# KiCad board vme-wren.kicad_pcb (continued)
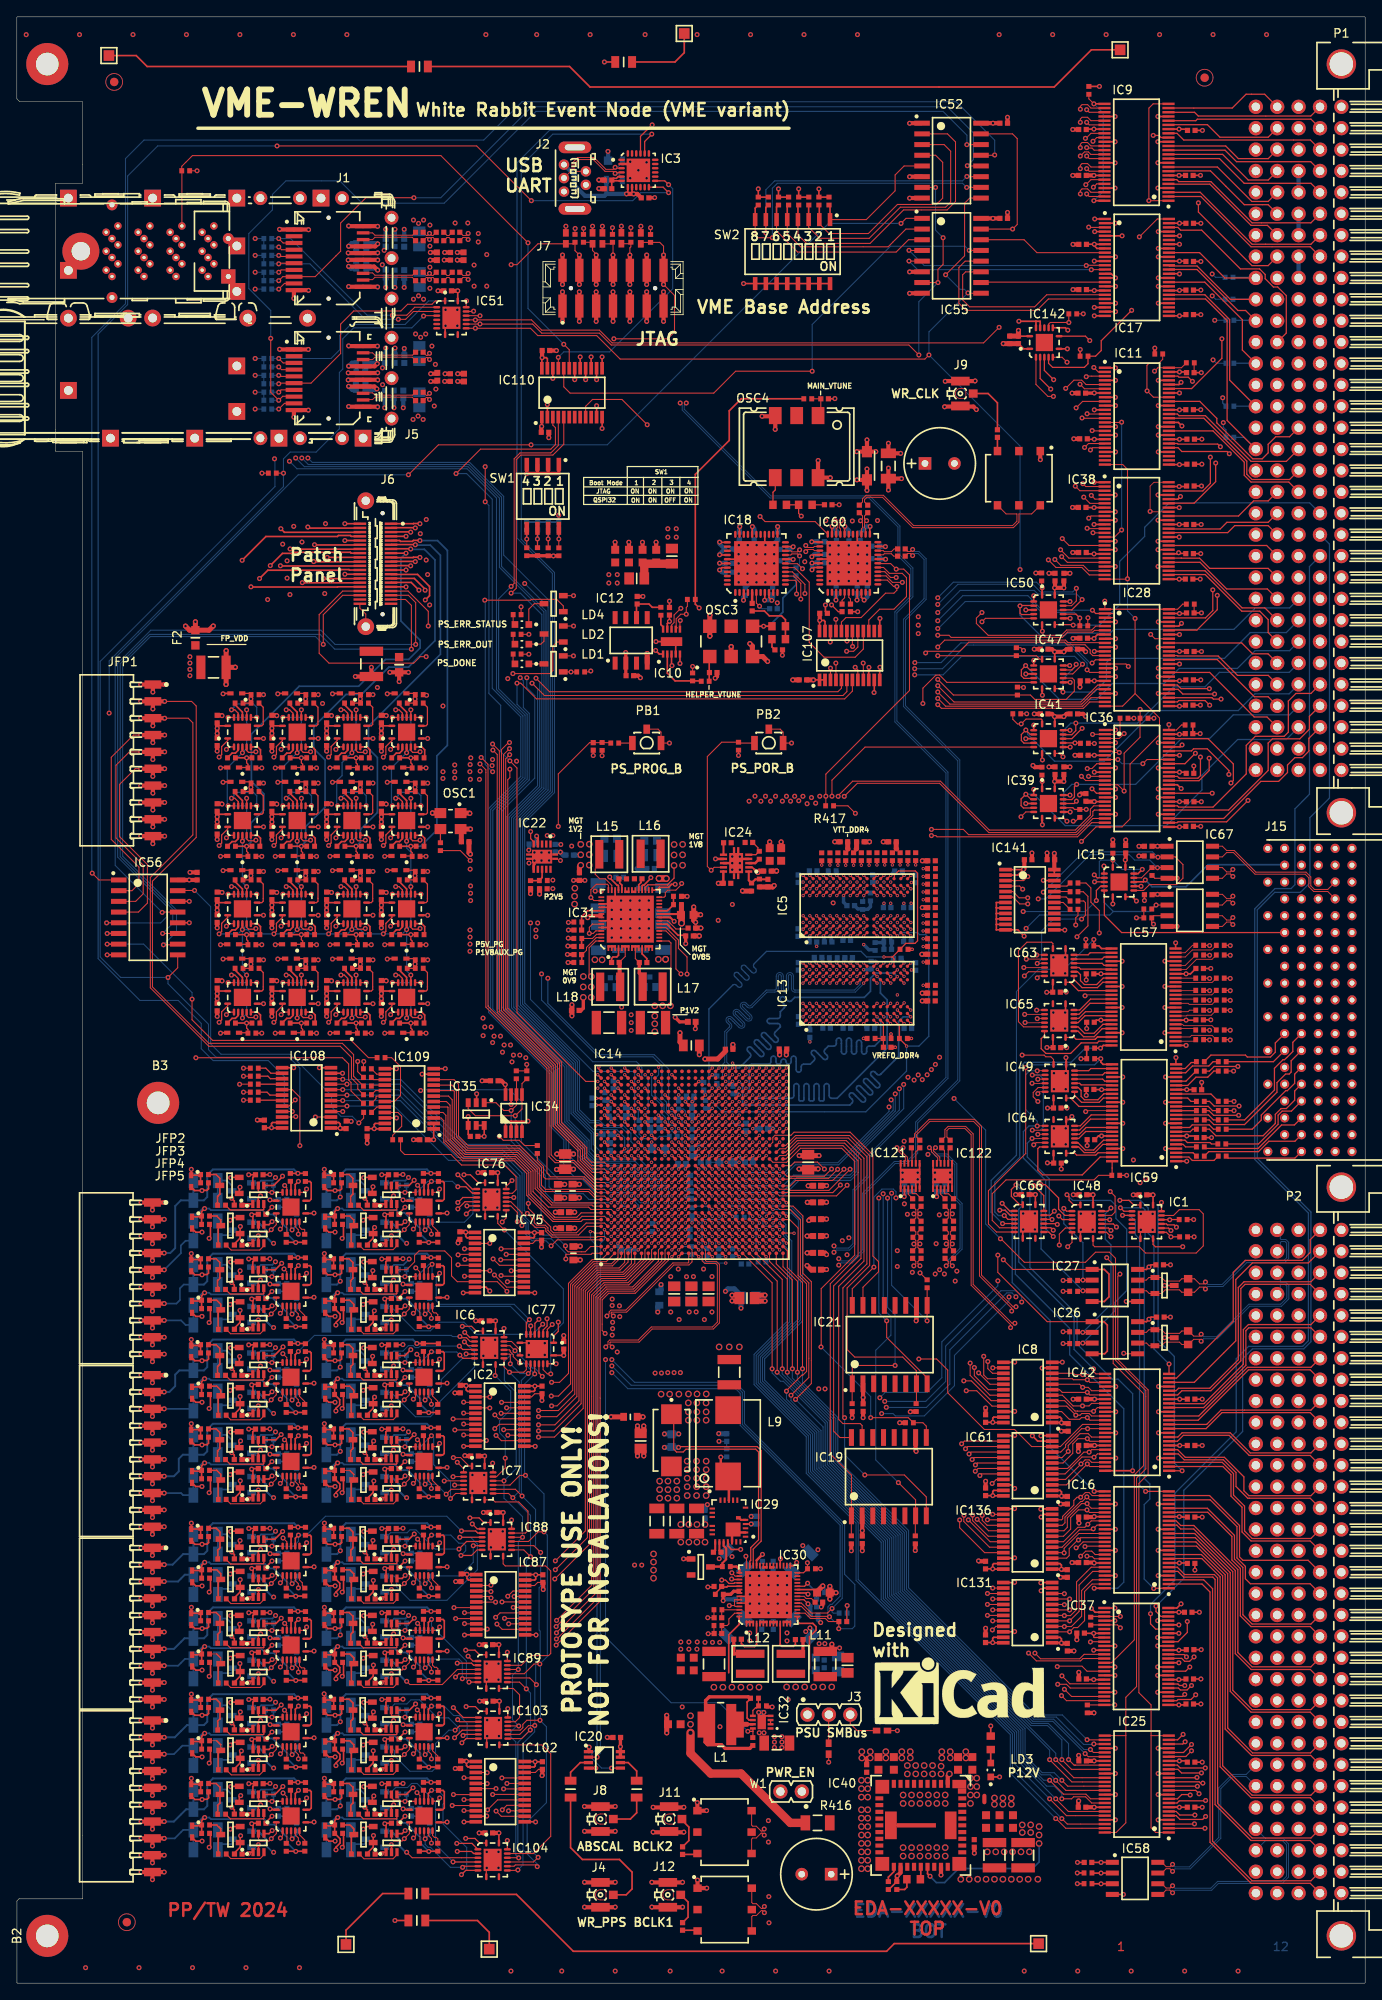
[diagram p0: board, top side]
## Placement (name value [footprint] x y rotation side) (continued)
C256  CC0402_1UF_25V_10%_X5R  [CAPC1005X55N]  101 165.44 270 bottom
C257  CC0402_1UF_25V_10%_X5R  [CAPC1005X55N]  97.3 165.44 270 bottom
C258  CC0402_1UF_25V_10%_X5R  [CAPC1005X55N]  99.8 165.44 270 bottom
C259  CC0402_1UF_25V_10%_X5R  [CAPC1005X55N]  95.5 169.64 180 bottom
C260  CC0402_100PF_50V_5%_C0G  [CAPC1005X55N]  77.5 162.89 270 top
C261  CC0402_1UF_25V_10%_X5R  [CAPC1005X55N]  91.11 168.89 0 bottom
C262  CC0402_1UF_25V_10%_X5R  [CAPC1005X55N]  89.76 165.29 270 bottom
C263  CC0402_1UF_25V_10%_X5R  [CAPC1005X55N]  95.5 168.64 180 bottom
C264  CC0402_1UF_25V_10%_X5R  [CAPC1005X55N]  100.15 171.73 90 bottom
C265  CC0402_10NF_16V_10%_X7R  [CAPC1005X55N]  105.05 170.29 180 top
C266  CC0402_10NF_16V_10%_X7R  [CAPC1005X55N]  105.05 169.43 180 top
C267  CC0402_100NF_16V_10%_X7R  [CAPC1005X55N]  86.51 165.24 270 bottom
C268  CC0402_100NF_16V_10%_X7R  [CAPC1005X55N]  71.25 29.17 0 top
C269  CC0402_100NF_16V_10%_X7R  [CAPC1005X55N]  139.28 137.35 0 top
C270  CC0402_220NF_16V_10%_X7R  [CAPC1005X55N]  83.18 51.17 0 top
C271  CC0402_220NF_16V_10%_X7R  [CAPC1005X55N]  84.31 64.78 270 bottom
C272  CC0603_22UF_10V_20%_X5R  [CAPC1608X90N]  77.76 64.41 270 bottom
C273  CAEM7343-20_470UF_2V_20%_LESR0003_PANASONIC_EEFGX0D471R  [CAPMP7343X200N]  77.74 64.45 270 top
C274  CC0402_1UF_25V_10%_X5R  [CAPC1005X55N]  110.24 94.44 270 bottom
C275  CC0402_1UF_25V_10%_X5R  [CAPC1005X55N]  87.88 54.98 90 bottom
C276  CC0402_2.2UF_16V_10%_X5R  [CAPC1005X55N]  95.25 45.24 0 top
C277  CC0402_100NF_16V_10%_X7R  [CAPC1005X55N]  117.2 220.84 0 top
C278  CC0402_100NF_16V_10%_X7R  [CAPC1005X55N]  117.2 209.54 0 top
C279  CC0402_100NF_16V_10%_X7R  [CAPC1005X55N]  21.41 131.44 90 top
C280  CC0402_100NF_16V_10%_X7R  [CAPC1005X55N]  29.13 81.29 0 top
C281  CC0603_22UF_10V_20%_X5R  [CAPC1608X90N]  95.79 46.36 0 top
C282  CC0402_220NF_16V_10%_X7R  [CAPC1005X55N]  92.91 40.79 180 top
C283  CC0603_22UF_10V_20%_X5R  [CAPC1608X90N]  94.88 37.9 90 bottom
C284  CC1210_220UF_6.3V_20%_X5R  [CAPC3225X280N]  96 37.89 90 top
C285  CC0402_2.2UF_16V_10%_X5R  [CAPC1005X55N]  95.88 37.91 90 bottom
C286  CC0402_2.2UF_16V_10%_X5R  [CAPC1005X55N]  83.25 47.1 180 top
C287  CC0402_2.2UF_16V_10%_X5R  [CAPC1005X55N]  85.77 45.58 0 bottom
C288  CC0402_2.2UF_16V_10%_X5R  [CAPC1005X55N]  66.62 125.04 180 top
C289  CC0402_220NF_16V_10%_X7R  [CAPC1005X55N]  85.6 40.84 0 top
C290  CC0402_2.2UF_16V_10%_X5R  [CAPC1005X55N]  80.17 125.27 0 top
C291  CC0603_22UF_10V_20%_X5R  [CAPC1608X90N]  79.61 126.84 0 top
C292  CC0402_10NF_16V_10%_X7R  [CAPC1005X55N]  66.62 122.12 0 top
C293  CC0402_10NF_16V_10%_X7R  [CAPC1005X55N]  83.26 41.51 0 top
C294  CC0402_10NF_16V_10%_X7R  [CAPC1005X55N]  83.26 43.39 0 top
C295  CC0402_10NF_16V_10%_X7R  [CAPC1005X55N]  66.62 123.09 0 top
C296  CC0603_22UF_10V_20%_X5R  [CAPC1608X90N]  78.08 30.74 0 top
C297  CC0402_100NF_16V_10%_X7R  [CAPC1005X55N]  109.24 94.44 90 bottom
C298  CC0402_220NF_16V_10%_X7R  [CAPC1005X55N]  73.79 131.13 0 top
C299  CC0402_220NF_16V_10%_X7R  [CAPC1005X55N]  74.37 121.18 0 top
C300  CC0402_220NF_16V_10%_X7R  [CAPC1005X55N]  71.08 121.19 180 top
C301  CC0402_100NF_16V_10%_X7R  [CAPC1005X55N]  126.57 36.12 0 top
C302  CC0402_100NF_16V_10%_X7R  [CAPC1005X55N]  68.45 146.84 90 top
C303  CC0603_22UF_10V_20%_X5R  [CAPC1608X90N]  78.85 37.9 90 top
C304  CC0603_22UF_10V_20%_X5R  [CAPC1608X90N]  80.39 37.89 90 top
C305  CC0402_100NF_16V_10%_X7R  [CAPC1005X55N]  139.3 36.12 180 top
C306  CC0402_100NF_16V_10%_X7R  [CAPC1005X55N]  139.3 33.15 0 top
C307  CC0402_100NF_16V_10%_X7R  [CAPC1005X55N]  126.34 41.57 180 top
C308  CC0402_100NF_16V_10%_X7R  [CAPC1005X55N]  139.34 39.6 180 top
C309  CC0805_100UF_4V_20%_X6S_MURATA_GRM21BC80G107ME15  [CAPC2013X145N]  75.28 133.93 180 bottom
C310  CC0603_22UF_10V_20%_X5R  [CAPC1608X90N]  75.27 135.64 180 bottom
C311  CC0402_2.2UF_16V_10%_X5R  [CAPC1005X55N]  75.27 132.35 180 bottom
C312  CC1210_220UF_6.3V_20%_X5R  [CAPC3225X280N]  75.54 114.04 180 top
C313  CC0603_22UF_10V_20%_X5R  [CAPC1608X90N]  75.2 118.28 180 bottom
C314  CC0402_2.2UF_16V_10%_X5R  [CAPC1005X55N]  74.72 119.46 180 bottom
C315  CC1210_220UF_6.3V_20%_X5R  [CAPC3225X280N]  70.32 114.04 0 top
C316  CC0603_22UF_10V_20%_X5R  [CAPC1608X90N]  70.47 118.26 0 bottom
C317  CC0402_2.2UF_16V_10%_X5R  [CAPC1005X55N]  70.94 119.38 0 bottom
C318  CC0402_100NF_16V_10%_X7R  [CAPC1005X55N]  139.11 44.04 0 top
C319  CC1210_220UF_6.3V_20%_X5R  [CAPC3225X280N]  119.5 15.19 270 top
C320  CC0603_22UF_10V_20%_X5R  [CAPC1608X90N]  115.1 19.19 270 top
C321  CC0603_22UF_10V_20%_X5R  [CAPC1608X90N]  116.7 19.19 270 top
C322  CC0603_22UF_10V_20%_X5R  [CAPC1608X90N]  118.3 19.19 270 top
C323  CC0402_1UF_25V_10%_X5R  [CAPC1005X55N]  113.7 16.59 90 top
C324  CC1206_47UF_25V_20%_X5R  [CAPC3216X180N]  85.37 42.24 45 bottom
C325  CC0402_1UF_25V_10%_X5R  [CAPC1005X55N]  89.84 42.46 90 bottom
C326  CC1206_47UF_25V_20%_X5R  [CAPC3216X180N]  85.36 50.22 315 bottom
C327  CC0402_1UF_25V_10%_X5R  [CAPC1005X55N]  89.82 49.63 270 bottom
C328  CC1206_47UF_25V_20%_X5R  [CAPC3216X180N]  93.27 42.17 135 bottom
C329  CC0402_1UF_25V_10%_X5R  [CAPC1005X55N]  88.55 49.62 270 bottom
C330  CC1206_47UF_25V_20%_X5R  [CAPC3216X180N]  93.14 50.03 225 bottom
C331  CC0402_1UF_25V_10%_X5R  [CAPC1005X55N]  88.47 42.46 90 bottom
C332  CC1206_22UF_25V_20%_X5R  [CAPC3216X180N]  69.08 124.13 90 bottom
C333  CC0402_1UF_25V_10%_X5R  [CAPC1005X55N]  71.6 131.3 0 bottom
C334  CC1206_22UF_25V_20%_X5R  [CAPC3216X180N]  76.72 128.54 270 bottom
C335  CC0402_1UF_25V_10%_X5R  [CAPC1005X55N]  71.45 122.63 0 bottom
C336  CC1206_22UF_25V_20%_X5R  [CAPC3216X180N]  76.72 124.17 90 bottom
C337  CC0402_1UF_25V_10%_X5R  [CAPC1005X55N]  74.32 129.99 180 bottom
C338  CC1206_22UF_25V_20%_X5R  [CAPC3216X180N]  69.03 129.12 270 bottom
C339  CC0402_1UF_25V_10%_X5R  [CAPC1005X55N]  74.28 122.66 180 bottom
C340  CC0402_4.7UF_6.3V_20%_X5R  [CAPC1005X55N]  66.81 131.39 90 top
C341  CC0402_4.7UF_6.3V_20%_X5R  [CAPC1005X55N]  66.32 115.49 0 top
C342  CC0402_4.7UF_6.3V_20%_X5R  [CAPC1005X55N]  70.83 106.67 270 bottom
C343  CC0402_4.7UF_6.3V_20%_X5R  [CAPC1005X55N]  79.97 89.06 270 bottom
C344  CC0402_4.7UF_6.3V_20%_X5R  [CAPC1005X55N]  83.35 86.74 90 bottom
C345  CC0402_100NF_16V_10%_X7R  [CAPC1005X55N]  51.16 200.93 180 top
C346  CC0402_10UF_6.3V_20%_X5R  [CAPC1005X70N]  53.05 205.04 90 top
C347  CC0402_100NF_16V_10%_X7R  [CAPC1005X55N]  79.89 124.34 180 top
C348  CC0402_100NF_16V_10%_X7R  [CAPC1005X55N]  94.69 43.76 180 bottom
C349  CC1206_10UF_25V_10%_X7R  [CAPC3216X180N]  90.25 28.51 180 top
C350  CC0402_100NF_16V_10%_X7R  [CAPC1005X55N]  56.7 107.14 0 top
C351  CC0402_100NF_16V_10%_X7R  [CAPC1005X55N]  54.3 100.54 0 top
C352  CC0402_10UF_6.3V_20%_X5R  [CAPC1005X70N]  49.88 205.04 90 top
C353  CC0402_100NF_16V_10%_X7R  [CAPC1005X55N]  87.33 163.37 90 top
C354  CC0402_100NF_16V_10%_X7R  [CAPC1005X55N]  51.5 205.04 270 top
C355  CC0402_10UF_6.3V_20%_X5R  [CAPC1005X70N]  46 202.94 90 bottom
C356  CC0402_10UF_6.3V_20%_X5R  [CAPC1005X70N]  46 206.64 270 bottom
C357  CC0402_10UF_6.3V_20%_X5R  [CAPC1005X70N]  43.8 202.99 90 bottom
C358  CC0402_10UF_6.3V_20%_X5R  [CAPC1005X70N]  40.3 206.14 270 bottom
C359  CC0402_10UF_6.3V_20%_X5R  [CAPC1005X70N]  40.3 204.04 90 bottom
C360  CC0402_10UF_6.3V_20%_X5R  [CAPC1005X70N]  41.5 206.14 270 bottom
C361  CC0402_10UF_6.3V_20%_X5R  [CAPC1005X70N]  41.5 204.04 90 bottom
C362  CC0402_10UF_6.3V_20%_X5R  [CAPC1005X70N]  43.8 206.64 270 bottom
C363  CC0402_100NF_16V_10%_X7R  [CAPC1005X55N]  44.9 202.94 270 bottom
C364  CC0402_100NF_16V_10%_X7R  [CAPC1005X55N]  44.9 206.64 90 bottom
C365  CC0402_100NF_16V_10%_X7R  [CAPC1005X55N]  47.8 203.14 180 top
C366  CC0402_100NF_16V_10%_X7R  [CAPC1005X55N]  47.8 202.14 180 top
C367  CC0402_100NF_16V_10%_X7R  [CAPC1005X55N]  47.8 206.89 180 top
C368  CC0402_100NF_16V_10%_X7R  [CAPC1005X55N]  47.8 207.89 180 top
C369  CC1210_220UF_6.3V_20%_X5R  [CAPC3225X280N]  42.1 156.64 270 top
C370  CC0402_100NF_16V_10%_X7R  [CAPC1005X55N]  140.47 114.37 180 top
C371  CC0402_100NF_16V_10%_X7R  [CAPC1005X55N]  127.45 119.84 0 top
C372  CC0402_100NF_16V_10%_X7R  [CAPC1005X55N]  127.5 114.09 180 top
C373  CC0402_100NF_16V_10%_X7R  [CAPC1005X55N]  140.47 120.47 0 top
C374  CC0402_100NF_16V_10%_X7R  [CAPC1005X55N]  50.25 203.14 0 top
C375  CC0402_100NF_16V_10%_X7R  [CAPC1005X55N]  50.25 202.14 0 top
C376  CC0402_100NF_16V_10%_X7R  [CAPC1005X55N]  115.05 58.34 90 top
C377  CC0402_100NF_16V_10%_X7R  [CAPC1005X55N]  124.76 57.34 270 top
C378  CC0402_100NF_16V_10%_X7R  [CAPC1005X55N]  115.05 67.04 90 top
C379  CC0402_100NF_16V_10%_X7R  [CAPC1005X55N]  124.86 65.99 270 top
C380  CC0402_100NF_16V_10%_X7R  [CAPC1005X55N]  43.29 118.59 90 top
C381  CC0402_4.7UF_6.3V_20%_X5R  [CAPC1005X55N]  43.29 115.89 90 top
C382  CC0402_100NF_16V_10%_X7R  [CAPC1005X55N]  36.79 118.59 90 top
C383  CC0402_4.7UF_6.3V_20%_X5R  [CAPC1005X55N]  36.79 115.89 90 top
C384  CC0402_100NF_16V_10%_X7R  [CAPC1005X55N]  30.29 118.59 90 top
C385  CC0402_4.7UF_6.3V_20%_X5R  [CAPC1005X55N]  30.29 115.89 90 top
C386  CC0402_100NF_16V_10%_X7R  [CAPC1005X55N]  23.79 118.59 90 top
C387  CC0402_4.7UF_6.3V_20%_X5R  [CAPC1005X55N]  23.79 115.89 90 top
C388  CC0402_100NF_16V_10%_X7R  [CAPC1005X55N]  123.47 117.66 180 top
C389  CC0402_100NF_16V_10%_X7R  [CAPC1005X55N]  123.59 97.37 180 top
C390  CC0402_100NF_16V_10%_X7R  [CAPC1005X55N]  123.52 111.07 180 top
C391  CC0402_100NF_16V_10%_X7R  [CAPC1005X55N]  119.76 93.63 0 top
C392  CC0402_100NF_16V_10%_X7R  [CAPC1005X55N]  134.36 134.99 0 top
C393  CC0402_100NF_16V_10%_X7R  [CAPC1005X55N]  28.79 85.99 0 top
C394  CC0402_100NF_16V_10%_X7R  [CAPC1005X55N]  42.09 77.63 180 top
C395  CC0402_100NF_16V_10%_X7R  [CAPC1005X55N]  47.85 82.59 270 bottom
C396  CC0402_100NF_16V_10%_X7R  [CAPC1005X55N]  46.85 82.59 270 bottom
C397  CC0402_4.7UF_6.3V_20%_X5R  [CAPC1005X55N]  42.07 82.38 0 top
C398  CC0402_100NF_16V_10%_X7R  [CAPC1005X55N]  44.93 81.29 0 top
C399  CC0402_100NF_16V_10%_X7R  [CAPC1005X55N]  44.59 85.99 0 top
C400  CC0402_100NF_16V_10%_X7R  [CAPC1005X55N]  47.85 62.39 270 bottom
C401  CC0402_100NF_16V_10%_X7R  [CAPC1005X55N]  46.85 62.39 270 bottom
C402  CC0402_100NF_16V_10%_X7R  [CAPC1005X55N]  42.09 57.43 180 top
C403  CC0402_4.7UF_6.3V_20%_X5R  [CAPC1005X55N]  42.07 62.18 0 top
C404  CC0402_100NF_16V_10%_X7R  [CAPC1005X55N]  44.59 65.79 0 top
C405  CC0402_100NF_16V_10%_X7R  [CAPC1005X55N]  44.93 61.09 0 top
C406  CC0402_100NF_16V_10%_X7R  [CAPC1005X55N]  55.91 96.23 0 top
C407  CC0402_100NF_16V_10%_X7R  [CAPC1005X55N]  62.32 88.66 270 top
C408  CC0402_100NF_16V_10%_X7R  [CAPC1005X55N]  52.61 88.76 270 top
C409  CC0402_100NF_16V_10%_X7R  [CAPC1005X55N]  64.95 75.74 270 top
C410  CC0402_100NF_16V_10%_X7R  [CAPC1005X55N]  26.29 67.43 180 top
C411  CC0402_100NF_16V_10%_X7R  [CAPC1005X55N]  32.05 72.39 270 bottom
C412  CC0402_100NF_16V_10%_X7R  [CAPC1005X55N]  31.05 72.39 270 bottom
C413  CC0402_4.7UF_6.3V_20%_X5R  [CAPC1005X55N]  26.27 72.18 0 top
C414  CC0402_100NF_16V_10%_X7R  [CAPC1005X55N]  28.79 75.79 0 top
C415  CC0402_100NF_16V_10%_X7R  [CAPC1005X55N]  29.13 71.09 0 top
C416  CC0402_100NF_16V_10%_X7R  [CAPC1005X55N]  42.09 67.43 180 top
C417  CC0402_100NF_16V_10%_X7R  [CAPC1005X55N]  46.85 72.39 270 bottom
C418  CC0402_100NF_16V_10%_X7R  [CAPC1005X55N]  47.85 72.39 270 bottom
C419  CC0402_4.7UF_6.3V_20%_X5R  [CAPC1005X55N]  42.07 72.18 0 top
C420  CC0402_100NF_16V_10%_X7R  [CAPC1005X55N]  44.93 71.09 0 top
C421  CC0402_100NF_16V_10%_X7R  [CAPC1005X55N]  44.59 75.79 0 top
C422  CC0402_100NF_16V_10%_X7R  [CAPC1005X55N]  26.29 57.43 180 top
C423  CC0402_100NF_16V_10%_X7R  [CAPC1005X55N]  32.05 62.39 270 bottom
C424  CC0402_100NF_16V_10%_X7R  [CAPC1005X55N]  31.05 62.39 270 bottom
C425  CC0402_4.7UF_6.3V_20%_X5R  [CAPC1005X55N]  26.27 62.18 0 top
C426  CC0402_100NF_16V_10%_X7R  [CAPC1005X55N]  28.79 65.79 0 top
C427  CC0402_100NF_16V_10%_X7R  [CAPC1005X55N]  29.13 61.09 0 top
C428  CC0402_100NF_16V_10%_X7R  [CAPC1005X55N]  56.55 55.89 0 top
C429  CC0402_100NF_16V_10%_X7R  [CAPC1005X55N]  62.47 48.03 270 top
C430  CC0402_100NF_16V_10%_X7R  [CAPC1005X55N]  52.76 48.14 270 top
C431  CC0402_100NF_16V_10%_X7R  [CAPC1005X55N]  56.05 40.19 0 top
C432  CC0402_100NF_16V_10%_X7R  [CAPC1005X55N]  42.1 45.63 180 top
C433  CC0402_100NF_16V_10%_X7R  [CAPC1005X55N]  47.86 50.59 270 bottom
C434  CC0402_100NF_16V_10%_X7R  [CAPC1005X55N]  46.86 50.59 270 bottom
C435  CC0402_4.7UF_6.3V_20%_X5R  [CAPC1005X55N]  42.08 50.37 0 top
C436  CC0402_100NF_16V_10%_X7R  [CAPC1005X55N]  44.6 53.98 0 top
C437  CC0402_100NF_16V_10%_X7R  [CAPC1005X55N]  44.94 49.29 0 top
C438  CC0402_100NF_16V_10%_X7R  [CAPC1005X55N]  31.06 40.59 270 bottom
C439  CC0402_100NF_16V_10%_X7R  [CAPC1005X55N]  32.06 40.59 270 bottom
C440  CC0402_100NF_16V_10%_X7R  [CAPC1005X55N]  26.3 35.63 180 top
C441  CC0402_4.7UF_6.3V_20%_X5R  [CAPC1005X55N]  26.28 40.37 0 top
C442  CC0402_100NF_16V_10%_X7R  [CAPC1005X55N]  28.8 43.98 0 top
C443  CC0402_100NF_16V_10%_X7R  [CAPC1005X55N]  29.14 39.29 0 top
C444  CC0402_100NF_16V_10%_X7R  [CAPC1005X55N]  31.06 50.59 270 bottom
C445  CC0402_100NF_16V_10%_X7R  [CAPC1005X55N]  26.3 45.63 180 top
C446  CC0402_100NF_16V_10%_X7R  [CAPC1005X55N]  32.06 50.59 270 bottom
C447  CC0402_4.7UF_6.3V_20%_X5R  [CAPC1005X55N]  26.28 50.37 0 top
C448  CC0402_100NF_16V_10%_X7R  [CAPC1005X55N]  29.14 49.29 0 top
C449  CC0402_100NF_16V_10%_X7R  [CAPC1005X55N]  28.8 53.98 0 top
C450  CC0402_100NF_16V_10%_X7R  [CAPC1005X55N]  47.86 40.59 270 bottom
C451  CC0402_100NF_16V_10%_X7R  [CAPC1005X55N]  42.1 35.63 180 top
C452  CC0402_100NF_16V_10%_X7R  [CAPC1005X55N]  46.86 40.59 270 bottom
C453  CC0402_4.7UF_6.3V_20%_X5R  [CAPC1005X55N]  42.08 40.37 0 top
C454  CC0402_100NF_16V_10%_X7R  [CAPC1005X55N]  44.94 39.29 0 top
C455  CC0402_100NF_16V_10%_X7R  [CAPC1005X55N]  44.6 43.98 0 top
C456  CC0402_100NF_16V_10%_X7R  [CAPC1005X55N]  56.1 33.49 0 top
C457  CC0402_100NF_16V_10%_X7R  [CAPC1005X55N]  62.41 25.84 270 top
C458  CC0402_100NF_16V_10%_X7R  [CAPC1005X55N]  52.7 25.94 270 top
C459  CC0402_100NF_16V_10%_X7R  [CAPC1005X55N]  56.05 17.84 0 top
C460  CC0402_100NF_16V_10%_X7R  [CAPC1005X55N]  32.06 30.29 270 bottom
C461  CC0402_100NF_16V_10%_X7R  [CAPC1005X55N]  26.3 25.33 180 top
C462  CC0402_100NF_16V_10%_X7R  [CAPC1005X55N]  31.06 30.29 270 bottom
C463  CC0402_4.7UF_6.3V_20%_X5R  [CAPC1005X55N]  26.28 30.07 0 top
C464  CC0402_100NF_16V_10%_X7R  [CAPC1005X55N]  95.81 162.65 0 top
C465  CC0402_100NF_16V_10%_X7R  [CAPC1005X55N]  93.35 154.74 180 top
C466  CC0402_100NF_16V_10%_X7R  [CAPC1005X55N]  29.4 102.02 90 top
C467  CC0402_100NF_16V_10%_X7R  [CAPC1005X55N]  39.1 101.91 90 top
C468  CC0402_100NF_16V_10%_X7R  [CAPC1005X55N]  110.24 92.69 270 top
C469  CC0402_100NF_16V_10%_X7R  [CAPC1005X55N]  111.24 92.69 270 top
C470  CC0402_100NF_16V_10%_X7R  [CAPC1005X55N]  111.24 86.51 270 top
C471  CC0402_100NF_16V_10%_X7R  [CAPC1005X55N]  110.24 86.51 270 top
C472  CC0402_100NF_16V_10%_X7R  [CAPC1005X55N]  109.84 99.64 270 top
C473  CC0402_100NF_16V_10%_X7R  [CAPC1005X55N]  110.84 99.64 270 top
C474  CC0402_100NF_16V_10%_X7R  [CAPC1005X55N]  111.24 90.03 90 top
C475  CC0402_100NF_16V_10%_X7R  [CAPC1005X55N]  110.24 90.03 90 top
C476  CC0402_100NF_16V_10%_X7R  [CAPC1005X55N]  107.39 92.69 270 top
C477  CC0402_100NF_16V_10%_X7R  [CAPC1005X55N]  106.39 92.69 270 top
C478  CC0402_100NF_16V_10%_X7R  [CAPC1005X55N]  79.06 15.74 270 top
C479  CC0402_100NF_16V_10%_X7R  [CAPC1005X55N]  107.39 90.02 90 top
C480  CC0402_100NF_16V_10%_X7R  [CAPC1005X55N]  106.39 90.02 90 top
C481  CC0402_100NF_16V_10%_X7R  [CAPC1005X55N]  107.39 86.51 270 top
C482  CC0402_100NF_16V_10%_X7R  [CAPC1005X55N]  106.24 99.64 270 top
C483  CC0402_100NF_16V_10%_X7R  [CAPC1005X55N]  106.39 86.51 270 top
C484  CC0402_100NF_16V_10%_X7R  [CAPC1005X55N]  107.24 99.64 270 top
C485  CC0402_100NF_16V_10%_X7R  [CAPC1005X55N]  79.06 6.74 270 top
C486  CC0402_100NF_16V_10%_X7R  [CAPC1005X55N]  62.83 193.85 0 top
C487  CC0402_100NF_16V_10%_X7R  [CAPC1005X55N]  62.73 184.14 0 top
C488  CC0402_100NF_16V_10%_X7R  [CAPC1005X55N]  41.6 101 270 top
C489  CC0402_100NF_16V_10%_X7R  [CAPC1005X55N]  48.3 100.14 180 top
C490  CC0402_1UF_25V_10%_X5R  [CAPC1005X55N]  106.44 94.44 270 bottom
C491  CC0402_100NF_16V_10%_X7R  [CAPC1005X55N]  105.44 94.44 90 bottom
C492  CC0402_100NF_16V_10%_X7R  [CAPC1005X55N]  29.14 28.99 0 top
C493  CC0402_100NF_16V_10%_X7R  [CAPC1005X55N]  28.8 33.68 0 top
C494  CC0402_100NF_16V_10%_X7R  [CAPC1005X55N]  31.06 20.29 270 bottom
C495  CC0402_100NF_16V_10%_X7R  [CAPC1005X55N]  26.3 15.33 180 top
C496  CC0402_100NF_16V_10%_X7R  [CAPC1005X55N]  32.06 20.29 270 bottom
C497  CC0402_4.7UF_6.3V_20%_X5R  [CAPC1005X55N]  26.28 20.07 0 top
C498  CC0402_100NF_16V_10%_X7R  [CAPC1005X55N]  28.8 23.68 0 top
C499  CC0402_100NF_16V_10%_X7R  [CAPC1005X55N]  29.14 18.99 0 top
C500  CC0402_100NF_16V_10%_X7R  [CAPC1005X55N]  47.86 20.29 270 bottom
C501  CC0402_100NF_16V_10%_X7R  [CAPC1005X55N]  46.86 20.29 270 bottom
C502  CC0402_100NF_16V_10%_X7R  [CAPC1005X55N]  42.1 15.33 180 top
C503  CC0402_4.7UF_6.3V_20%_X5R  [CAPC1005X55N]  42.08 20.07 0 top
C504  CC0402_100NF_16V_10%_X7R  [CAPC1005X55N]  44.94 18.99 0 top
C505  CC0402_100NF_16V_10%_X7R  [CAPC1005X55N]  44.6 23.68 0 top
C506  CC0402_100NF_16V_10%_X7R  [CAPC1005X55N]  46.86 30.29 270 bottom
C507  CC0402_100NF_16V_10%_X7R  [CAPC1005X55N]  42.1 25.33 180 top
C508  CC0402_100NF_16V_10%_X7R  [CAPC1005X55N]  47.86 30.29 270 bottom
C509  CC0402_4.7UF_6.3V_20%_X5R  [CAPC1005X55N]  42.08 30.07 0 top
C510  CC0402_100NF_16V_10%_X7R  [CAPC1005X55N]  44.6 33.68 0 top
C511  CC0402_100NF_16V_10%_X7R  [CAPC1005X55N]  44.94 28.99 0 top
C512  CC0402_100NF_16V_10%_X7R  [CAPC1005X55N]  133.74 93.6 0 top
C513  CC0402_100NF_16V_10%_X7R  [CAPC1005X55N]  52.15 203.14 180 top
C514  CC0402_100NF_16V_10%_X7R  [CAPC1005X55N]  52.15 202.14 180 top
C515  CC0402_100NF_16V_10%_X7R  [CAPC1005X55N]  52.15 206.89 180 top
C516  CC0402_100NF_16V_10%_X7R  [CAPC1005X55N]  52.15 207.89 180 top
C517  CC0402_100NF_16V_10%_X7R  [CAPC1005X55N]  36.79 139.59 90 top
C518  CC0402_4.7UF_6.3V_20%_X5R  [CAPC1005X55N]  36.79 136.89 90 top
C519  CC0402_100NF_16V_10%_X7R  [CAPC1005X55N]  30.29 139.59 90 top
C520  CC0402_4.7UF_6.3V_20%_X5R  [CAPC1005X55N]  30.29 136.89 90 top
C521  CC0402_100NF_16V_10%_X7R  [CAPC1005X55N]  23.79 139.59 90 top
C522  CC0402_4.7UF_6.3V_20%_X5R  [CAPC1005X55N]  23.79 136.89 90 top
C523  CC0402_100NF_16V_10%_X7R  [CAPC1005X55N]  43.29 139.59 90 top
C524  CC0402_4.7UF_6.3V_20%_X5R  [CAPC1005X55N]  43.29 136.89 90 top
C525  CC0402_100NF_16V_10%_X7R  [CAPC1005X55N]  115.05 40.89 90 top
C526  CC0402_100NF_16V_10%_X7R  [CAPC1005X55N]  124.75 39.89 270 top
C527  CC0402_100NF_16V_10%_X7R  [CAPC1005X55N]  36.79 129.09 90 top
C528  CC0402_4.7UF_6.3V_20%_X5R  [CAPC1005X55N]  36.79 126.39 90 top
C529  CC0402_100NF_16V_10%_X7R  [CAPC1005X55N]  43.29 129.09 90 top
C530  CC0402_4.7UF_6.3V_20%_X5R  [CAPC1005X55N]  43.29 126.39 90 top
C531  CC0402_100NF_16V_10%_X7R  [CAPC1005X55N]  23.79 129.09 90 top
C532  CC0402_4.7UF_6.3V_20%_X5R  [CAPC1005X55N]  23.79 126.39 90 top
C533  CC0402_100NF_16V_10%_X7R  [CAPC1005X55N]  30.29 129.09 90 top
C534  CC0402_4.7UF_6.3V_20%_X5R  [CAPC1005X55N]  30.29 126.39 90 top
C535  CC0402_100NF_16V_10%_X7R  [CAPC1005X55N]  115.05 49.64 90 top
C536  CC0402_100NF_16V_10%_X7R  [CAPC1005X55N]  124.75 48.64 270 top
C537  CC0402_100NF_16V_10%_X7R  [CAPC1005X55N]  23.79 150.09 90 top
C538  CC0402_4.7UF_6.3V_20%_X5R  [CAPC1005X55N]  23.79 147.39 90 top
C539  CC0402_100NF_16V_10%_X7R  [CAPC1005X55N]  30.29 150.09 90 top
C540  CC0402_4.7UF_6.3V_20%_X5R  [CAPC1005X55N]  30.29 147.39 90 top
C541  CC0402_100NF_16V_10%_X7R  [CAPC1005X55N]  43.29 150.09 90 top
C542  CC0402_4.7UF_6.3V_20%_X5R  [CAPC1005X55N]  43.29 147.39 90 top
C543  CC0402_100NF_16V_10%_X7R  [CAPC1005X55N]  36.79 150.09 90 top
C544  CC0402_4.7UF_6.3V_20%_X5R  [CAPC1005X55N]  36.79 147.39 90 top
C545  CC1210_220UF_6.3V_20%_X5R  [CAPC3225X280N]  23.35 156.23 0 top
C546  CC0402_100NF_16V_10%_X7R  [CAPC1005X55N]  122.8 133.39 180 top
C547  CC0402_100NF_16V_10%_X7R  [CAPC1005X55N]  120.1 133.39 0 top
C548  CC0402_100NF_16V_10%_X7R  [CAPC1005X55N]  118.96 195.11 270 top
C549  CC0402_100NF_16V_10%_X7R  [CAPC1005X55N]  117.92 195.11 270 top
Cage1  -  [TYCO_1761014-3]  37.02 197.69 270 top
Cage3  -  [MOLEX_74737-0009]  37.02 190.58 0 top  (not fitted)
D1  0402ESDA-MLP  [EATON_0402ESDA-MLP]  74.11 207.16 90 top
D2  0402ESDA-MLP  [EATON_0402ESDA-MLP]  65.2 207.17 90 top
D3  PESD3V3S1UB  [SODFL1608X65N]  36.51 95.22 270 top
D4  0402ESDA-MLP  [EATON_0402ESDA-MLP]  68.37 207.17 90 top
D5  0402ESDA-MLP  [EATON_0402ESDA-MLP]  69.54 207.16 90 top
D6  0402ESDA-MLP  [EATON_0402ESDA-MLP]  71.79 207.18 90 top
D7  0402ESDA-MLP  [EATON_0402ESDA-MLP]  96.41 27.84 270 top
D8  0402ESDA-MLP  [EATON_0402ESDA-MLP]  102.75 29.99 0 top
D9  PESD3V3S1UB  [SODFL1608X65N]  36.61 90.3 270 top
D10  BZX84C3V3  [SOT95P240X130-3N]  81.23 49.42 0 top
D11  BAR66  [SOT95P240X110-3N]  41.16 89.95 180 top
D12  BAR66  [SOT95P240X110-3N]  25.36 89.95 180 top
D13  PESD3V3S1UB  [SODFL1608X65N]  20.71 95.22 270 top
D14  PESD3V3S1UB  [SODFL1608X65N]  20.81 90.3 270 top
D15  BAR66  [SOT95P240X110-3N]  25.36 79.95 180 top
D16  BAR66  [SOT95P240X110-3N]  41.16 79.95 180 top
D17  PESD3V3S1UB  [SODFL1608X65N]  20.71 85.22 270 top
D18  PESD3V3S1UB  [SODFL1608X65N]  20.81 80.3 270 top
D19  BAR66  [SOT95P240X110-3N]  41.16 59.75 180 top
D20  BAR66  [SOT95P240X110-3N]  25.36 69.75 180 top
D21  PESD3V3S1UB  [SODFL1608X65N]  36.51 85.22 270 top
D22  PESD3V3S1UB  [SODFL1608X65N]  36.61 80.3 270 top
D23  BAR66  [SOT95P240X110-3N]  41.16 69.75 180 top
D24  BAR66  [SOT95P240X110-3N]  25.36 59.75 180 top
D25  PESD3V3S1UB  [SODFL1608X65N]  36.51 65.02 270 top
D26  PESD3V3S1UB  [SODFL1608X65N]  36.61 60.1 270 top
D27  BAR66  [SOT95P240X110-3N]  41.17 47.94 180 top
D28  BAR66  [SOT95P240X110-3N]  25.37 37.94 180 top
D29  SM712.TCT  [SOT95P237X112-3N]  136.3 76.63 0 top
D30  SM712.TCT  [SOT95P237X112-3N]  136.3 82.83 0 top
D31  BAR66  [SOT95P240X110-3N]  25.37 47.94 180 top
D32  BAR66  [SOT95P240X110-3N]  41.17 37.94 180 top
D33  PESD3V3S1UB  [SODFL1608X65N]  20.71 75.02 270 top
D34  PESD3V3S1UB  [SODFL1608X65N]  20.81 70.1 270 top
D35  BAR66  [SOT95P240X110-3N]  25.37 27.64 180 top
D36  BAR66  [SOT95P240X110-3N]  25.37 17.64 180 top
D37  PESD3V3S1UB  [SODFL1608X65N]  36.51 75.02 270 top
D38  PESD3V3S1UB  [SODFL1608X65N]  36.61 70.1 270 top
D39  BAR66  [SOT95P240X110-3N]  41.17 17.64 180 top
D40  BAR66  [SOT95P240X110-3N]  41.17 27.64 180 top
D41  PESD3V3S1UB  [SODFL1608X65N]  20.71 65.02 270 top
D42  PESD3V3S1UB  [SODFL1608X65N]  20.81 60.1 270 top
D43  BAR66  [SOT95P240X110-3N]  41.06 94.72 180 top
D44  BAR66  [SOT95P240X110-3N]  25.26 94.72 180 top
D45  PESD3V3S1UB  [SODFL1608X65N]  36.52 53.22 270 top
D46  PESD3V3S1UB  [SODFL1608X65N]  36.62 48.29 270 top
D47  BAR66  [SOT95P240X110-3N]  25.26 84.72 180 top
D48  PESD3V3S1UB  [SODFL1608X65N]  20.72 43.22 270 top
D49  PESD3V3S1UB  [SODFL1608X65N]  20.82 38.29 270 top
D50  BAR66  [SOT95P240X110-3N]  41.06 84.72 180 top
D51  PESD3V3S1UB  [SODFL1608X65N]  20.72 53.22 270 top
D52  PESD3V3S1UB  [SODFL1608X65N]  20.82 48.29 270 top
D53  BAR66  [SOT95P240X110-3N]  41.06 64.52 180 top
D54  BAR66  [SOT95P240X110-3N]  25.26 74.52 180 top
D55  PESD3V3S1UB  [SODFL1608X65N]  36.52 43.22 270 top
D56  PESD3V3S1UB  [SODFL1608X65N]  36.62 38.29 270 top
D57  BAR66  [SOT95P240X110-3N]  41.06 74.52 180 top
D58  BAR66  [SOT95P240X110-3N]  25.26 64.52 180 top
D59  PESD3V3S1UB  [SODFL1608X65N]  20.72 32.92 270 top
D60  PESD3V3S1UB  [SODFL1608X65N]  20.82 27.99 270 top
D61  BAR66  [SOT95P240X110-3N]  41.07 52.72 180 top
D62  BAR66  [SOT95P240X110-3N]  25.27 42.72 180 top
D63  PESD3V3S1UB  [SODFL1608X65N]  20.72 22.92 270 top
D64  PESD3V3S1UB  [SODFL1608X65N]  20.82 17.99 270 top
D65  BAR66  [SOT95P240X110-3N]  25.27 52.72 180 top
D66  BAR66  [SOT95P240X110-3N]  41.07 42.72 180 top
D67  BAR66  [SOT95P240X110-3N]  25.27 32.42 180 top
D68  BAR66  [SOT95P240X110-3N]  25.27 22.42 180 top
D69  PESD3V3S1UB  [SODFL1608X65N]  36.52 22.92 270 top
D70  PESD3V3S1UB  [SODFL1608X65N]  36.62 17.99 270 top
D71  BAR66  [SOT95P240X110-3N]  41.07 22.42 180 top
D72  BAR66  [SOT95P240X110-3N]  41.07 32.42 180 top
D73  PESD3V3S1UB  [SODFL1608X65N]  36.52 32.92 270 top
D74  PESD3V3S1UB  [SODFL1608X65N]  36.62 27.99 270 top
D75  PESD3V3S1UB  [SODFL1608X65N]  38.69 133.84 180 top
D76  PESD3V3S1UB  [SODFL1608X65N]  39.07 142.64 180 top
D77  PESD3V3S1UB  [SODFL1608X65N]  45.19 112.84 180 top
D78  PESD3V3S1UB  [SODFL1608X65N]  45.57 121.64 180 top
D79  PESD3V3S1UB  [SODFL1608X65N]  38.69 112.84 180 top
D80  PESD3V3S1UB  [SODFL1608X65N]  39.07 121.64 180 top
D81  PESD3V3S1UB  [SODFL1608X65N]  32.19 112.84 180 top
D82  PESD3V3S1UB  [SODFL1608X65N]  32.57 121.64 180 top
D83  PESD3V3S1UB  [SODFL1608X65N]  25.69 112.84 180 top
D84  PESD3V3S1UB  [SODFL1608X65N]  26.07 121.64 180 top
D85  PESD3V3S1UB  [SODFL1608X65N]  32.19 133.84 180 top
D86  PESD3V3S1UB  [SODFL1608X65N]  32.57 142.64 180 top
D87  PESD3V3S1UB  [SODFL1608X65N]  25.69 133.84 180 top
D88  PESD3V3S1UB  [SODFL1608X65N]  26.07 142.64 180 top
D89  PESD3V3S1UB  [SODFL1608X65N]  45.19 133.84 180 top
D90  PESD3V3S1UB  [SODFL1608X65N]  45.57 142.64 180 top
D91  PESD3V3S1UB  [SODFL1608X65N]  38.69 123.34 180 top
D92  PESD3V3S1UB  [SODFL1608X65N]  39.07 132.14 180 top
D93  PESD3V3S1UB  [SODFL1608X65N]  45.19 123.34 180 top
D94  PESD3V3S1UB  [SODFL1608X65N]  45.57 132.14 180 top
D95  PESD3V3S1UB  [SODFL1608X65N]  25.69 123.34 180 top
D96  PESD3V3S1UB  [SODFL1608X65N]  26.07 132.14 180 top
D97  PESD3V3S1UB  [SODFL1608X65N]  32.19 123.34 180 top
D98  PESD3V3S1UB  [SODFL1608X65N]  32.57 132.14 180 top
D99  PESD3V3S1UB  [SODFL1608X65N]  25.69 144.34 180 top
D100  PESD3V3S1UB  [SODFL1608X65N]  26.07 153.14 180 top
D101  PESD3V3S1UB  [SODFL1608X65N]  32.19 144.34 180 top
D102  PESD3V3S1UB  [SODFL1608X65N]  32.57 153.14 180 top
D103  PESD3V3S1UB  [SODFL1608X65N]  45.19 144.34 180 top
D104  PESD3V3S1UB  [SODFL1608X65N]  45.57 153.14 180 top
D105  PESD3V3S1UB  [SODFL1608X65N]  38.69 144.34 180 top
D106  PESD3V3S1UB  [SODFL1608X65N]  39.07 153.14 180 top
F1  FUSR_LITTELFUSE_0603L075SL  [FUSR_LITTELFUSE_0603L]  45.4 156.54 90 top
F2  FUSR_LITTELFUSE_0603L075SL  [FUSR_LITTELFUSE_0603L]  21.2 159.74 270 top
FTG1  FIDUCIAL_TARGET_C100-200  [FIDUCIAL_TOP_C100-200]  141.06 226.24 0 top
FTG2  FIDUCIAL_TARGET_C100-200  [FIDUCIAL_TOP_C100-200]  11.56 225.74 0 top
FTG3  FIDUCIAL_TARGET_C100-200  [FIDUCIAL_TOP_C100-200]  13.06 7.24 180 bottom
FTG4  FIDUCIAL_TARGET_C100-200  [FIDUCIAL_TOP_C100-200]  141.06 226.24 180 bottom
FTG5  FIDUCIAL_TARGET_C100-200  [FIDUCIAL_TOP_C100-200]  11.56 225.74 180 bottom
FTG6  FIDUCIAL_TARGET_C100-200  [FIDUCIAL_TOP_C100-200]  13.06 7.24 0 top
IC1  SN74LV595ARGYR  [TEXAS_RGY (R-PVQFN-N16)]  134.19 90.4 0 top
IC2  SN74LXCH8T245PWR  [SOP65P640X120-24N]  57.36 67.34 0 top
IC3  CP2105-F01-GM  [QFN50P400X400X80-25N-S280]  73.81 215.24 0 top
IC4  PRTR5V0U2X  [SOT190P230X110-4N]  70.97 215.24 270 bottom
IC5  MT40A512M16LY-075-E  [BGA96C80P9X16_750X1350X120]  99.78 127.94 90 top
IC6  SN74LV595ARGYR  [TEXAS_RGY (R-PVQFN-N16)]  56.1 75.44 0 top
IC7  SN74LV595ARGYR  [TEXAS_RGY (R-PVQFN-N16)]  54.8 59.39 0 top
IC8  SN74LXCH8T245PWR  [SOP65P640X120-24N]  120.06 70.14 180 top
IC9  SN74VMEH22501DGGR  [SOP50P810X120-48N]  133.02 203.72 0 top
IC10  DAC8562SDSC  [TEXAS_DSC (S-PWSON-N10)]  77.75 159.29 90 top
IC11  SN74VMEH22501DGGR  [SOP50P810X120-48N]  133.02 186.06 0 top
IC12  REF5030AID  [SOIC127P600X175-8N]  72.96 159.43 90 top
IC13  MT40A512M16LY-075-E  [BGA96C80P9X16_750X1350X120]  99.76 117.54 90 top
IC14  XCZU4CG-1SFVC784E  [BGA784C80P28X28_2300X2300X332]  80.19 97.46 90 top
IC15  SN74LVTH125RGY  [TEXAS_RGY (S-PVQFN-N14)]  130.9 130.74 0 top
IC16  SN74LVCH16T245DGG  [SOP50P810X120-48N]  133 52.64 180 top
IC17  SN74LVCH16T245DGG  [SOP50P810X120-48N]  132.97 217.39 180 top
IC18  SI5340B-D-GM  [QFN50P700X700X90-45N-S530]  87.83 168.57 90 top
IC19  MT25QU512ABB8ESF-0SIT  [SOIC127P1030X265-16N]  103.56 60.14 90 top
IC20  SN74LVC2G126DCT  [SOP65P400X130-8N]  69.78 26.51 0 top
IC21  MT25QU512ABB8ESF-0SIT  [SOIC127P1030X265-16N]  103.66 75.82 90 top
IC22  TPS74801DRCT  [TEXAS_DRC (S-PVSON-N10)]  62.38 133.75 270 top
IC23  SN74LVTH125RGY  [TEXAS_RGY (S-PVQFN-N14)]  48.36 92.15 90 top
IC24  TPS51200DRCT  [TEXAS_DRC (S-PVSON-N10)]  85.42 132.99 180 top
IC25  SN74LVCH16T245DGG  [SOP50P810X120-48N]  133 23.64 180 top
IC26  MAX3430ESA  [SOIC127P600X175-8N]  130.4 76.63 0 top
IC27  MAX3430ESA  [SOIC127P600X175-8N]  130.4 82.84 0 top
IC28  SN74VMEH22501DGGR  [SOP50P810X120-48N]  133.02 157.38 0 top
IC29  TDA21535AUMA1  [INFINEON_TDA21535]  84.56 54.87 180 top
IC30  IRPS5401MTRPBF  [INFINEON_PG-VQFN-56-900 (IRPS5401M)]  89.25 46.13 90 top
IC31  IRPS5401MTRPBF  [INFINEON_PG-VQFN-56-900 (IRPS5401M)]  72.85 126.34 90 top
IC32  TPS62125DSG  [SON50P200X200X80-9N-R100X170]  88.46 30.99 180 top
IC33  SN74LVC1T45DCKT  [SOT65P210X110-6N]  44.49 88.95 90 top
IC34  24AA64T-I_MS  [SOP65P490X110-8N]  59.02 103.3 90 top
IC35  24AA025E48T-I_OT  [SOT95P280X145-6N]  54.55 103.19 270 top
IC36  SN74VMEH22501DGGR  [SOP50P810X120-48N]  133.02 143.04 0 top
IC37  SN74VMEH22501DGGR  [SOP50P810X120-48N]  132.95 38.79 0 top
IC38  SN74VMEH22501DGGR  [SOP50P810X120-48N]  132.99 172.45 0 top
IC39  SN74LVTH125RGY  [TEXAS_RGY (S-PVQFN-N14)]  122.51 140.06 0 top
IC40  LMZ31704RVQT  [TEXAS_RVQ (S-PB3QFN-N42)]  107.35 18.74 270 top
IC41  SN74LVTH125RGY  [TEXAS_RGY (S-PVQFN-N14)]  122.51 147.76 0 top
IC42  SN74LVCH16T245DGG  [SOP50P810X120-48N]  133.05 66.59 180 top
IC43  SN74LVC1T45DCKT  [SOT65P210X110-6N]  44.48 93.61 90 top
IC44  SN74LVTH125RGY  [TEXAS_RGY (S-PVQFN-N14)]  32.56 92.15 90 top
IC45  SN74LVC1T45DCKT  [SOT65P210X110-6N]  28.69 88.95 90 top
IC46  SN74LVC1T45DCKT  [SOT65P210X110-6N]  28.68 93.61 90 top
IC47  SN74LVTH125RGY  [TEXAS_RGY (S-PVQFN-N14)]  122.51 155.45 0 top
IC48  SN74LV595ARGYR  [TEXAS_RGY (R-PVQFN-N16)]  127.06 90.41 0 top
IC49  SN74LV595ARGYR  [TEXAS_RGY (R-PVQFN-N16)]  123.87 107.09 180 top
IC50  SN74LVTH125RGY  [TEXAS_RGY (S-PVQFN-N14)]  122.51 163.05 0 top
IC51  SN74LV595ARGYR  [TEXAS_RGY (R-PVQFN-N16)]  51.61 197.74 0 top
IC52  SN74LV166ANS  [SOIC127P780X200-16N]  111 216.39 0 top
IC53  SN74LVTH125RGY  [TEXAS_RGY (S-PVQFN-N14)]  32.56 82.15 90 top
